# Allegro board 08_038702e.brd (continued)
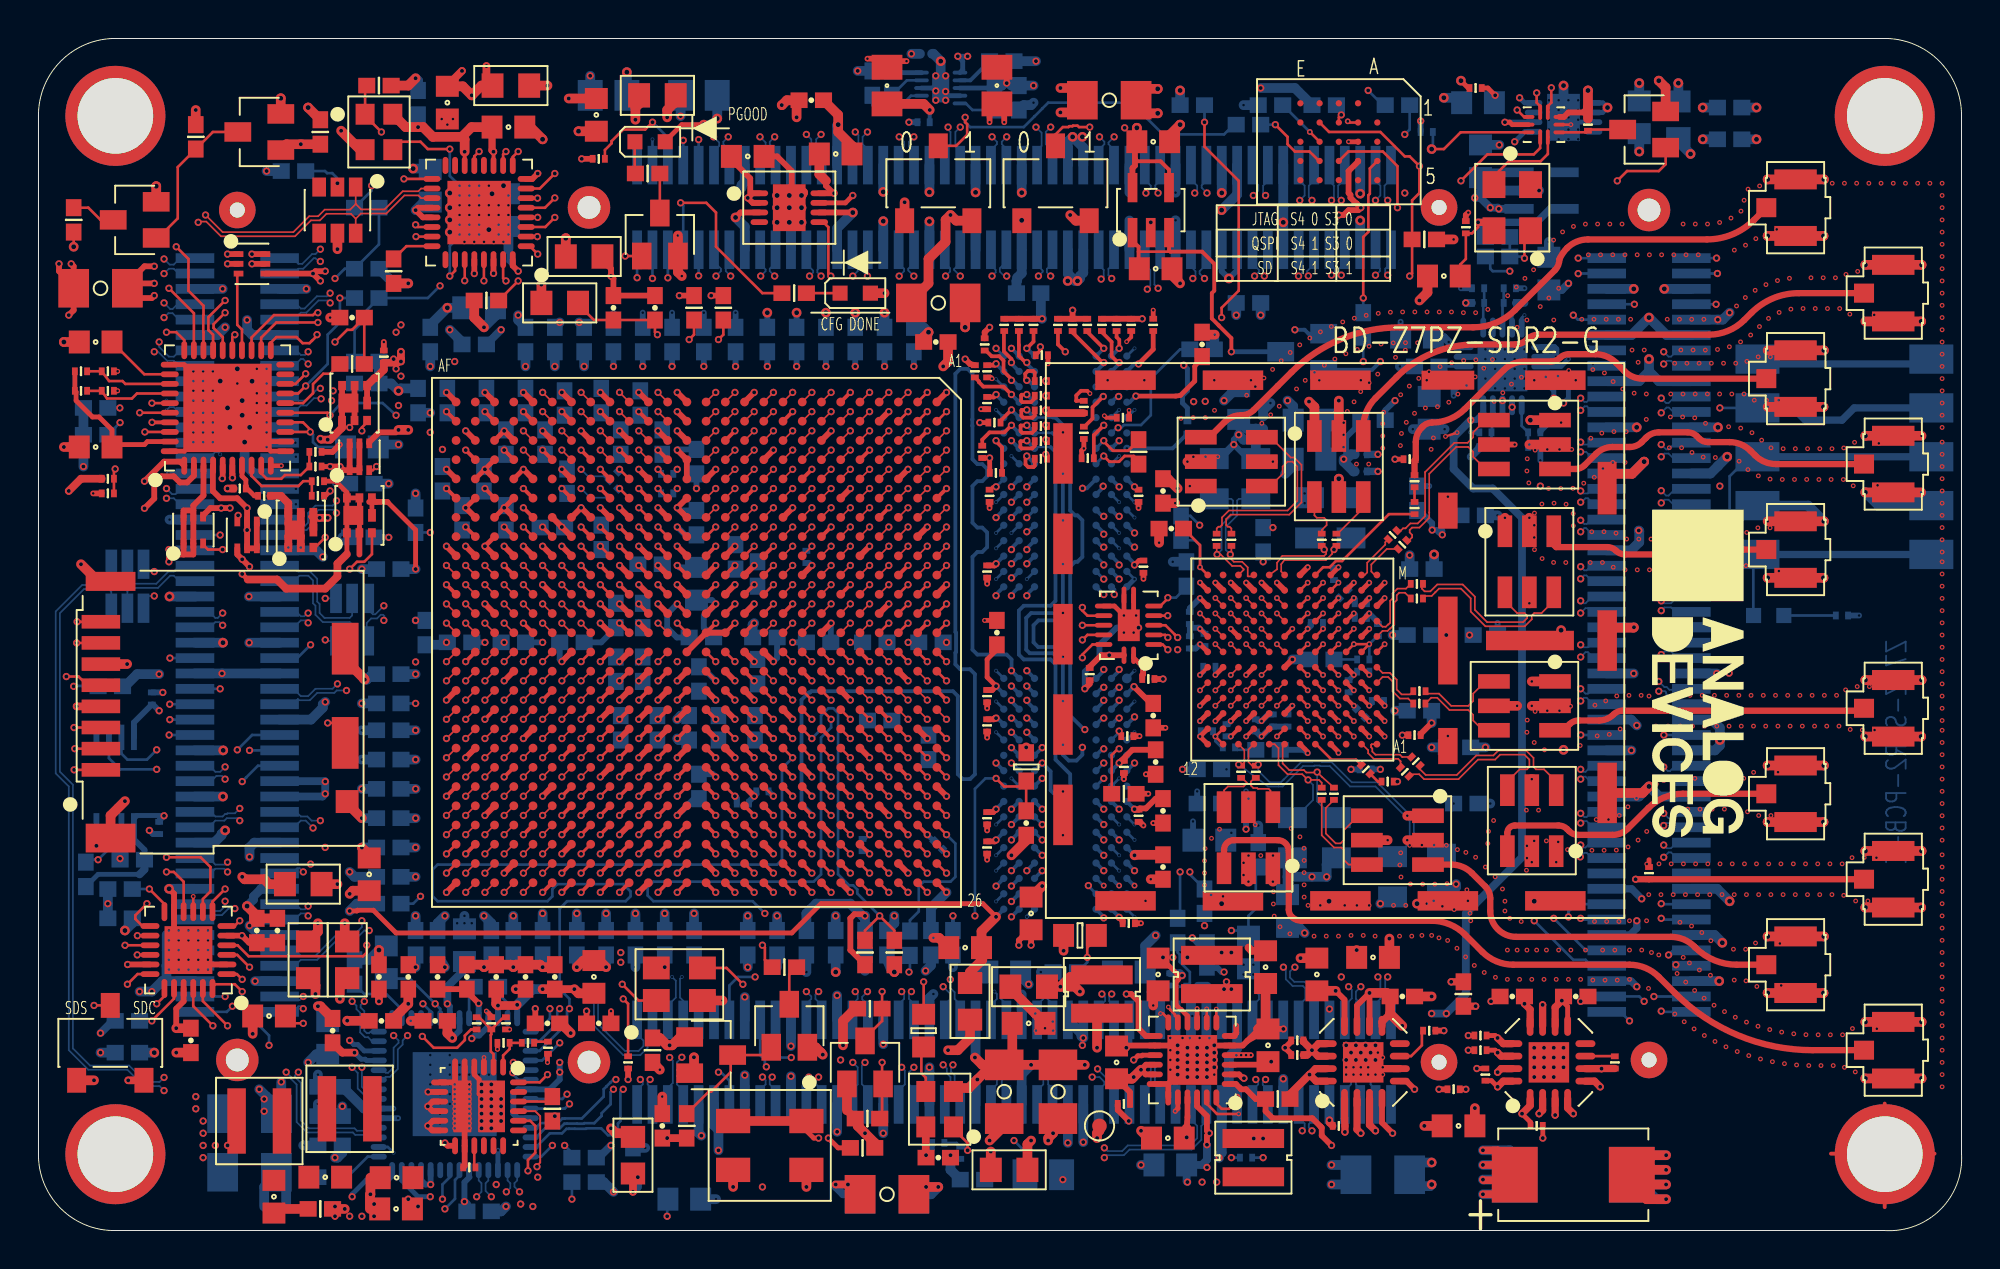
[diagram p0: board, top side]
## Routing (per net, layer and track width the routed paths; a pad name or vN(x,y) marks a point on that pad's centre or on a via; arc(x,y) is an arc through that point) (continued)
  BOTTOM w0.089: JX4.36 80.73,36.97 80.51,36.75 80.38,36.75 v1(80.19,36.94)
IO_L08_35_FB_CLK_N: length 39.2
  TOP w0.089: U1.J13 v1(39.22,31.59) ; v6(62,30.49) U17.G10
  L17_SIG w0.089: v1(39.22,31.59) 39.22,31.59 39.22,31.86 39.12,31.96 38.74,31.96 38.57,31.79 38.57,31.59 38.7,31.46 38.84,31.32 38.84,30.94 38.49,30.59 37.92,30.59 37.64,30.86 37.64,31.73 37.39,31.99 34.96,31.99 34.72,31.75 34.72,30.44 34.96,30.21 53.55,30.21 53.72,30.38 54.53,30.38 54.61,30.29 55.21,30.29 55.43,30.51 55.92,30.51 56.23,30.21 56.8,30.21 57.11,29.9 57.74,29.9 58.2,29.45 59.74,29.45 60.12,29.83 62.16,29.83 62.28,29.95 62.28,30.21 v6(62,30.49)
IO_L08_35_FB_CLK_P: length 38
  TOP w0.089: U1.K13 v1(38.22,31.59) ; v6(62,28.89) U17.F10
  L17_SIG w0.089: v6(62,28.89) 62.03,28.92 62.03,29.32 61.77,29.57 60.23,29.57 59.85,29.19 58.09,29.19 57.64,29.65 57,29.65 56.69,29.95 56.12,29.95 55.82,30.26 55.54,30.26 55.32,30.04 54.51,30.04 54.42,30.12 53.83,30.12 53.66,29.95 34.85,29.95 34.47,30.33 34.47,31.86 34.85,32.24 37.5,32.24 37.9,31.84 37.9,30.97 38.03,30.84 38.39,30.84 38.59,31.05 38.59,31.22 v1(38.22,31.59)
IO_L09_12_JX3_N: length 72.7
  TOP w0.089: U1.AF10 v1(21.22,34.59)
  L17_SIG w0.089: v3(7.29,43.16) 7.55,42.91 8.16,42.91 8.56,42.5 8.56,39.88 7.93,39.25 7.93,26.38 8.41,25.89 9.2,25.89 9.45,26.14 9.45,27.16 9.96,27.67 11.33,27.67 11.86,28.2 11.86,37.19 12.24,37.57 13.9,37.57 14.28,37.19 14.28,34 14.38,33.89 16.92,33.89 17.32,33.49 17.32,31.07 17.71,30.69 17.71,26.42 17.18,25.89 16.03,25.89 15.8,25.66 15.8,24.47 16.03,24.24 17.18,24.24 17.71,23.71 17.71,23.21 18.08,22.84 18.6,22.84 18.98,23.21 18.98,29.8 20.12,30.95 20.12,32.67 20.88,33.43 20.88,33.73 21.08,33.93 21.37,33.93 21.5,34.05 21.5,34.13 21.64,34.27 21.64,34.4 21.52,34.53 21.28,34.53 v1(21.22,34.59)
  L19_GND w0.089: v4(6.66,43.16) v3(7.29,43.16)
  BOTTOM w0.089: JX3.81 7.37,43.37 7.04,43.03 6.78,43.03 v4(6.66,43.16)
IO_L09_12_JX3_P: length 72.7
  TOP w0.089: U1.AE11 v1(22.22,33.59)
  L17_SIG w0.089: v3(7.29,42.53) 7.42,42.65 8.05,42.65 8.31,42.4 8.31,39.99 7.67,39.35 7.67,26.27 8.31,25.64 9.3,25.64 9.7,26.04 9.7,27.05 10.06,27.41 11.44,27.41 12.12,28.09 12.12,37.09 12.35,37.32 13.79,37.32 14.02,37.09 14.02,33.89 14.28,33.64 16.82,33.64 17.07,33.38 17.07,30.97 17.45,30.59 17.45,26.52 17.07,26.14 15.93,26.14 15.55,25.76 15.55,24.37 15.93,23.98 17.07,23.98 17.45,23.6 17.45,23.11 17.97,22.59 18.71,22.59 19.23,23.11 19.23,29.7 20.37,30.84 20.37,32.57 21.06,33.25 21.35,33.25 21.55,33.45 21.55,33.75 21.68,33.87 21.74,33.94 21.74,33.94 21.87,33.94 v1(22.22,33.59)
  L19_GND w0.089: v4(6.66,42.65) 7.2,42.65 7.29,42.56 v3(7.29,42.53)
  BOTTOM w0.089: v4(6.66,42.65) 6.82,42.82 7.04,42.82 7.28,42.57 JX3.79
IO_L09_13_JX2_N: length 72.2
  TOP w0.089: U1.AB22 v1(25.22,21.59)
  L4_SIG w0.089: v1(43.11,12.43) 42.89,12.21 42.89,11.85 42.45,11.41 38.89,11.41 38.79,11.31 38.79,11.01 38.89,10.9 46.66,10.9 46.92,10.65 46.92,10.28 46.66,10.03 43.79,10.03 43.77,10.01 37.9,10.01 37.64,10.27 37.64,11.03 37.26,11.41 36.65,11.41 36.58,11.48 36.56,11.48 35.49,12.55 35.49,12.94 35.1,13.32 34.85,13.32 34.47,13.7 34.47,17.88 33.71,18.64 33.71,19.64 33.96,19.89 33.96,21.93 33.81,22.08 33.81,24.13 33.6,24.33 33.6,26.65 33.55,26.7 33.55,26.73 33.35,26.92 31.08,26.92 30.88,26.73 30.88,17.22 30.66,17 30.66,15.86 30.41,15.6 29.75,15.6 29.64,15.5 29.64,14.74 29.24,14.33 28.65,14.33 28.25,14.74 28.25,15.75 28.14,15.86 27,15.86 26.6,16.26 26.6,21.83 26.46,21.96 25.59,21.96 v1(25.22,21.59)
  BOTTOM w0.089: v1(43.11,12.43) 42.83,12.15 42.83,12.03 43.13,11.73 JX2.31
IO_L09_13_JX2_P: length 72.3
  TOP w0.089: U1.AB21 v1(25.22,22.59)
  L4_SIG w0.089: v1(25.22,22.59) 25.07,22.44 25.07,22.21 25.21,22.07 25.34,22.07 25.48,22.22 26.56,22.22 26.85,21.93 26.85,16.36 27.1,16.11 28.25,16.11 28.5,15.86 28.5,14.84 28.75,14.59 29.14,14.59 29.39,14.84 29.39,15.6 29.64,15.86 30.3,15.86 30.41,15.96 30.41,17.1 30.63,17.32 30.63,26.83 30.97,27.18 33.46,27.18 33.81,26.83 33.81,26.8 33.85,26.76 33.85,24.44 34.06,24.23 34.06,22.19 34.22,22.03 34.22,19.79 33.96,19.53 33.96,18.75 34.72,17.99 34.72,13.8 34.96,13.57 35.21,13.57 35.74,13.04 35.74,12.66 36.66,11.73 36.69,11.73 36.76,11.67 37.37,11.67 37.9,11.14 37.9,10.37 38,10.27 43.67,10.27 43.68,10.28 46.56,10.28 46.66,10.39 46.66,10.54 46.56,10.65 38.79,10.65 38.53,10.9 38.53,11.41 38.79,11.67 42.34,11.67 42.64,11.96 42.64,12.28 42.62,12.3 42.6,12.3 v1(42.47,12.43)
  BOTTOM w0.089: v1(42.47,12.43) 42.6,12.3 42.6,12.05 42.33,11.78 JX2.29
IO_L09_33_JX1_N: length 72.1
  TOP w0.089: U1.K1 v1(38.22,43.59)
  L14_SIG w0.089: v1(58.22,49) 57.91,49.31 57.91,49.38 58.09,49.56 58.09,49.64 57.91,49.82 57.91,49.84 58.35,50.27 76.1,50.27 77.07,51.24 78.03,51.24 78.28,51.49 78.28,52.31 78.03,52.56 76.02,52.56 75.38,51.92 61.77,51.92 61.39,52.31 61.39,52.56 61.01,52.94 59.62,52.94 59.23,52.56 59.23,52.31 58.85,51.92 46.03,51.92 42.49,48.39 42.2,48.39 41.82,48 41.82,47.71 41.33,47.23 40.18,47.23 38.53,45.57 38.53,43.91 v1(38.22,43.59)
  BOTTOM w0.089: v1(58.22,49) 58.03,49.19 58.03,49.96 58.33,50.26 JX1.70
IO_L09_33_JX1_P: length 72.1
  TOP w0.089: U1.K2 v1(38.22,42.59)
  L14_SIG w0.089: v1(38.22,42.59) 38.79,43.16 38.79,45.47 40.29,46.97 41.43,46.97 42.07,47.61 42.07,47.9 42.3,48.13 42.59,48.13 46.13,51.67 58.96,51.67 59.49,52.2 59.49,52.45 59.72,52.69 60.91,52.69 61.14,52.45 61.14,52.2 61.67,51.67 75.49,51.67 76.13,52.31 77.92,52.31 78.03,52.2 78.03,51.6 77.92,51.49 76.96,51.49 76,50.53 58.24,50.53 57.66,49.95 v1(57.66,48.96)
  BOTTOM w0.089: JX1.68 57.53,50.24 57.81,49.96 57.81,49.14 57.75,49.08 57.75,49.05 v1(57.66,48.96)
IO_L09_34_JX4_N: length 72.3
  TOP w0.089: U1.E8 v1(43.22,36.59)
  L17_SIG w0.089: v1(84.38,33.89) 84.19,34.08 84.19,34.18 84.1,34.27 83.87,34.27 83.75,34.14 83.75,34.01 83.63,33.89 83.36,33.89 83.24,34.02 83.24,34.14 83.11,34.27 82.69,34.27 81.21,35.75 79.94,35.75 79.39,36.3 77.42,36.3 71.96,41.76 67.38,41.76 66.85,42.29 66.85,43.9 67.38,44.43 70.56,44.43 70.79,44.66 70.79,45.34 70.56,45.57 67.38,45.57 66.85,46.1 66.85,46.99 66.62,47.23 64.01,47.23 63.68,46.9 63.68,45.34 63.15,44.81 61.5,44.81 61.27,44.58 61.27,43.25 61.27,43.25 61.27,43.03 61.26,43.03 61.26,42.88 60.91,42.53 60.89,42.53 60.88,42.52 59.11,42.52 58.97,42.65 56.89,42.65 56.78,42.54 54.47,42.54 53.72,43.29 52.73,43.29 52.52,43.08 49.59,43.08 49.38,43.29 47.75,43.29 47.46,43 44.15,43 43.88,42.73 43.88,39.34 43.46,38.92 42.08,38.92 41.99,38.84 41.91,38.84 41.82,38.75 41.82,37.19 42.08,36.92 42.35,36.92 42.72,36.56 43.18,36.56 v1(43.22,36.59)
  BOTTOM w0.089: JX4.43 85.17,33.77 84.89,34.06 84.55,34.06 v1(84.38,33.89)
IO_L09_34_JX4_P: length 72.4
  TOP w0.089: U1.F9 v1(42.22,35.59)
  L17_SIG w0.089: v1(84.38,34.53) 82.79,34.53 81.31,36 80.05,36 79.5,36.56 77.52,36.56 72.06,42.02 67.49,42.02 67.11,42.4 67.11,43.8 67.49,44.18 70.66,44.18 71.05,44.56 71.05,45.45 70.66,45.83 67.49,45.83 67.11,46.21 67.11,47.1 66.73,47.48 63.9,47.48 63.43,47 63.43,45.45 63.04,45.07 61.39,45.07 61.01,44.69 61.01,43.14 61.01,43.13 61.01,42.98 60.81,42.79 60.79,42.79 60.77,42.77 59.21,42.77 59.08,42.91 56.79,42.91 56.68,42.8 54.57,42.8 53.83,43.54 52.73,43.54 52.45,43.81 49.65,43.81 49.38,43.54 47.65,43.54 47.35,43.25 44.04,43.25 43.62,42.83 43.62,39.45 43.35,39.18 41.97,39.18 41.89,39.1 41.8,39.1 41.56,38.86 41.56,37.08 41.84,36.81 41.84,36.43 42.22,36.05 42.22,35.59 v1(42.22,35.59)
  BOTTOM w0.089: v1(84.38,34.53) 84.63,34.27 84.89,34.27 85.19,34.57 JX4.41
IO_L09_35_TX_FRAME_N: length 31.6
  TOP w0.089: v6(62.8,31.29) U17.H9 ; U1.J15 v1(39.22,28.59)
  L6_SIG w0.089: v1(39.22,28.59) 38.81,28.61 38.74,28.53 38.74,28.43 38.81,28.35 38.81,27.5 39.05,27.25 39.35,27.25 39.63,27.52 39.63,27.83 39.97,28.18 40.28,28.18 40.55,28.45 40.55,28.9 40.56,28.92 40.57,28.93 40.57,29.72 40.62,29.78 40.62,29.83 40.97,30.18 41.02,30.18 41.09,30.25 42.35,30.25 42.62,30.52 42.63,30.62 42.85,30.84 43.49,30.84 43.74,30.59 43.74,30.51 43.99,30.25 51.55,30.25 51.93,30.63 53.71,30.63 53.96,30.38 54.53,30.38 54.57,30.33 55.15,30.33 55.45,30.63 57.65,30.63 58.49,31.48 59.43,31.48 59.82,31.09 59.82,31 60.04,30.79 62.87,30.79 63.04,30.97 63.04,31.13 62.96,31.22 62.87,31.22 v6(62.8,31.29)
IO_L09_35_TX_FRAME_P: length 31.3
  TOP w0.089: v6(62.8,30.49) U17.G9 ; U1.K15 v1(38.22,28.59)
  L6_SIG w0.089: v1(38.22,28.59) 38.24,28.59 38.55,28.25 38.55,27.39 38.95,27 39.46,27 39.88,27.42 39.88,27.73 40.08,27.92 40.39,27.92 40.81,28.34 40.82,28.92 40.82,29.62 40.88,29.68 40.88,29.73 41.08,29.93 41.13,29.93 41.2,30 42.46,30 42.82,30.36 42.84,30.39 42.85,30.4 42.85,30.4 42.88,30.45 42.88,30.51 42.96,30.59 43.38,30.59 43.49,30.48 43.49,30.4 43.89,30 51.66,30 52.04,30.38 53.6,30.38 53.86,30.12 54.42,30.12 54.46,30.08 55.25,30.08 55.55,30.38 57.75,30.38 58.6,31.22 59.33,31.22 59.57,30.98 59.57,30.9 60.27,30.19 62.17,30.19 62.28,30.08 62.54,30.08 62.79,30.33 62.79,30.49 v6(62.8,30.49)
IO_L10_12_JX3_N: length 72.5
  TOP w0.089: U1.AF13 v1(21.22,31.59)
  L15_SIG w0.089: v1(21.22,31.59) 21.26,31.63 21.26,31.86 21.46,32.06 21.69,32.06 21.82,31.93 21.82,31.55 21.59,31.32 21.59,30.49 21.35,30.25 14.66,30.25 14.49,30.08 8.31,30.08 7.42,30.97 7.42,32.13 7.65,32.37 9.36,32.37 9.44,32.45 9.72,32.45 9.8,32.37 13.01,32.37 13.39,32.75 13.39,33.38 13.01,33.76 7.9,33.76 7.67,34 7.67,39.63 7.9,39.86 9.47,39.86 9.58,39.75 10.09,39.75 10.19,39.86 11.33,39.86 11.86,40.39 11.86,45.55 11.33,46.08 7.78,46.08 7.55,46.31 7.55,50.3 7.78,50.53 8.96,50.53 9.2,50.3 9.2,50.04 9.73,49.51 12.39,49.51 12.63,49.28 12.63,46.87 13.15,46.34 13.91,46.34 14.24,46 14.5,46 14.91,45.6 14.91,45.15 14.78,45.02 14.78,44.81 14.91,44.69 14.91,44.43 14.66,44.18 14.4,44.18 14.28,44.05 14.28,43.67 14.34,43.61 14.47,43.61 v1(14.66,43.8)
  BOTTOM w0.089: JX3.82 13.3,43.37 13.51,43.16 13.9,43.16 14.53,43.8 v1(14.66,43.8)
IO_L10_12_JX3_P: length 72.5
  TOP w0.089: U1.AE13 v1(22.22,31.59)
  L15_SIG w0.089: v1(14.7,43.25) 14.77,43.33 14.78,43.33 14.98,43.52 14.98,43.65 14.99,43.66 14.99,43.82 15.04,43.87 15.04,44.2 15.17,44.33 15.17,45.7 14.61,46.26 14.35,46.26 14.01,46.59 13.26,46.59 12.88,46.97 12.88,49.38 12.5,49.77 9.83,49.77 9.45,50.15 9.45,50.4 9.07,50.78 7.67,50.78 7.29,50.4 7.29,46.21 7.67,45.83 11.23,45.83 11.61,45.45 11.61,40.49 11.23,40.11 10.09,40.11 9.98,40.01 9.68,40.01 9.57,40.11 7.8,40.11 7.42,39.73 7.42,33.89 7.8,33.51 12.9,33.51 13.13,33.28 13.13,32.85 12.9,32.62 9.9,32.62 9.82,32.7 9.33,32.7 9.25,32.62 7.55,32.62 7.16,32.24 7.16,30.86 8.2,29.83 14.59,29.83 14.76,30 21.46,30 21.84,30.38 21.84,31.22 22.01,31.39 v1(22.22,31.59)
  BOTTOM w0.089: v1(14.7,43.25) 14.66,43.25 14.62,43.29 14.33,43.29 13.95,42.91 13.64,42.91 13.31,42.57 JX3.80
IO_L10_13_JX2_N: length 74.3
  TOP w0.089: U1.AA23 v1(26.22,20.59)
  L6_SIG w0.089: v1(42.98,8.74) 42.72,8.49 42.72,8.36 42.85,8.24 43.23,8.24 43.36,8.11 43.36,7.86 43.23,7.73 42.72,7.73 42.6,7.6 42.6,3.26 43,2.86 47.03,2.86 47.12,2.78 52.56,2.78 52.91,3.12 52.91,3.16 53.16,3.41 56.08,3.41 56.72,4.05 57.86,4.05 58.47,4.66 58.47,8.47 58.6,8.6 58.6,10.14 58.22,10.52 57.48,10.52 56.95,11.05 56.95,13.59 55.57,14.97 52.14,14.97 51.89,15.22 50.88,15.22 50.63,14.97 47.66,14.97 47.02,14.33 40.38,14.33 40.05,14 39.56,14 39.22,14.33 38.85,14.33 38.77,14.25 37.4,14.25 37.32,14.33 36.14,14.33 34.62,15.86 29.16,15.86 28.55,16.46 28.55,20.73 28.32,20.96 26.49,20.96 26.39,20.86 26.39,20.77 v1(26.22,20.59)
  BOTTOM w0.089: JX2.32 43.13,7.3 42.81,7.62 42.81,8.58 v1(42.98,8.74)
IO_L10_13_JX2_P: length 74.4
  TOP w0.089: U1.AA22 v1(26.22,21.59)
  L6_SIG w0.089: v1(26.22,21.59) 26.59,21.22 28.42,21.22 28.81,20.83 28.81,16.57 29.26,16.11 34.72,16.11 36.25,14.59 37.42,14.59 37.5,14.5 38.66,14.5 38.74,14.59 39.33,14.59 39.66,14.25 39.94,14.25 40.28,14.59 46.92,14.59 47.55,15.22 50.52,15.22 50.78,15.48 52,15.48 52.25,15.22 55.68,15.22 57.2,13.7 57.2,11.16 57.58,10.78 58.32,10.78 58.85,10.25 58.85,8.49 58.73,8.36 58.73,4.55 57.96,3.79 56.82,3.79 56.19,3.16 53.27,3.16 53.16,3.05 53.16,3 53.14,2.98 53.13,2.98 52.66,2.52 47.01,2.52 46.93,2.6 42.9,2.6 42.34,3.16 v1(42.34,8.74)
  BOTTOM w0.089: v1(42.34,8.74) 42.6,8.49 42.6,7.6 42.33,7.33 JX2.30
IO_L10_33_JX1_N: length 72.2
  TOP w0.089: U1.G1 v1(41.22,43.59)
  L15_SIG w0.089: v1(41.22,43.59) 40.87,43.24 40.87,43.12 41.06,42.92 41.35,42.92 41.58,42.7 41.58,42.53 41.86,42.25 42.35,42.25 42.55,42.45 42.55,42.46 42.6,42.5 42.6,43.82 41.71,44.71 41.71,46.57 42.24,47.1 45.67,47.1 45.9,47.33 45.9,48.14 45.67,48.37 44.45,48.37 44.24,48.16 43.75,48.16 43.4,48.5 43.4,48.99 43.61,49.2 43.61,50.38 44.02,50.78 53.92,50.78 54.15,51.01 54.15,56.12 54.54,56.5 62.28,56.5 62.54,56.75 62.54,58.27 62.79,58.53 64.57,58.53 64.95,58.15 64.95,56.88 65.33,56.5 66.47,56.5 66.85,56.88 66.85,58.27 67.24,58.66 69.01,58.66 69.39,58.27 69.39,56.88 69.78,56.5 70.82,56.5 71.17,56.14 71.17,55.64 70.82,55.29 60.95,55.29 60.63,54.97 60.63,54.08 v1(60.76,53.96)
  BOTTOM w0.089: v1(60.76,53.96) 60.48,54.23 60.48,54.36 60.73,54.6 JX1.75
IO_L10_33_JX1_P: length 72.2
  TOP w0.089: U1.H2 v1(40.22,42.59)
  L15_SIG w0.089: v1(60.12,53.96) 60.38,54.21 60.38,55.08 60.84,55.54 61.05,55.54 70.71,55.54 70.92,55.75 70.92,56.04 70.71,56.24 69.67,56.24 69.14,56.77 69.14,58.17 68.91,58.4 67.34,58.4 67.11,58.17 67.11,56.77 66.58,56.24 65.22,56.24 64.7,56.77 64.7,58.04 64.46,58.27 62.9,58.27 62.79,58.17 62.79,56.65 62.39,56.24 54.64,56.24 54.41,56.01 54.41,50.91 54.03,50.53 44.12,50.53 43.87,50.27 43.87,49.1 43.66,48.89 43.66,48.61 43.85,48.41 44.13,48.41 44.34,48.62 45.77,48.62 46.15,48.24 46.15,47.23 45.77,46.84 42.35,46.84 41.97,46.46 41.97,44.81 42.85,43.93 42.85,42.4 42.81,42.35 42.81,42.34 42.46,42 41.75,42 41.5,42.25 41.08,42.25 40.88,42.45 40.88,42.75 40.64,42.98 40.39,42.98 40.31,42.91 40.31,42.68 v1(40.22,42.59)
  BOTTOM w0.089: JX1.73 59.93,54.66 60.25,54.34 60.25,54.08 v1(60.12,53.96)
IO_L10_34_JX4_N: length 73.5
  TOP w0.089: U1.D5 v1(44.22,39.59)
  L17_SIG w0.089: v1(44.22,39.59) 44.22,39.51 44.5,39.22 47.44,39.22 47.83,39.61 58.34,39.61 58.85,40.11 62.28,40.11 62.66,40.49 62.66,41.16 63.13,41.63 63.13,42.09 63.04,42.17 63.04,43.39 63.57,43.92 65.18,43.92 65.71,43.39 65.71,40.49 66.09,40.11 66.83,40.11 67.21,39.73 67.21,38.59 67.59,38.21 72.89,38.21 75.96,35.14 76.5,35.14 77.7,33.94 78.21,33.94 78.59,33.56 78.59,23.2 78.82,22.97 80.97,22.97 81.21,23.2 81.21,33.26 81.08,33.38 79.33,33.38 79.25,33.46 79.25,33.76 79.38,33.89 v1(80.19,33.89)
  BOTTOM w0.089: JX4.44 80.79,33.77 80.49,34.07 80.37,34.07 v1(80.19,33.89)
IO_L10_34_JX4_P: length 73.6
  TOP w0.089: U1.E6 v1(43.22,38.59)
  L17_SIG w0.089: v1(80.19,34.53) 80.7,34.02 80.7,33.76 80.82,33.64 81.18,33.64 81.46,33.36 81.46,23.1 81.08,22.71 78.72,22.71 78.34,23.1 78.34,33.46 78.1,33.69 77.6,33.69 76.4,34.89 75.85,34.89 72.79,37.95 67.49,37.95 66.96,38.48 66.96,39.63 66.73,39.86 65.99,39.86 65.46,40.39 65.46,43.29 65.08,43.67 63.68,43.67 63.3,43.29 63.3,42.27 63.38,42.19 63.38,41.52 62.92,41.06 62.92,40.39 62.39,39.86 58.96,39.86 58.45,39.35 47.93,39.35 47.55,38.97 43.81,38.97 43.55,38.71 43.34,38.71 v1(43.22,38.59)
  BOTTOM w0.089: JX4.42 80.74,34.57 80.51,34.33 80.38,34.33 v1(80.19,34.53)
IO_L10_35_EN_AGC: length 28.9
  TOP w0.14: U1.G16 v1(41.22,27.59) ; v6(66.8,30.49) U17.G5
  L6_SIG w0.095: v1(41.22,27.59) 41.56,27.93 43.36,27.93 43.36,27.92 44.07,27.92 44.07,27.93 54.18,27.93 54.27,27.84 54.55,27.84 54.75,28.03 54.75,28.04 55.05,28.34 55.05,28.39 55.25,28.59 55.53,28.59 55.57,28.56 56.02,28.56 56.05,28.59 56.33,28.59 56.53,28.39 56.53,28.27 56.63,28.18 56.63,28.15 56.83,27.95 56.83,27.95 56.95,27.84 58.52,27.84 58.96,28.28 58.96,28.29 59.23,28.56 63.81,28.56 64.44,29.19 65.46,29.19 66.76,30.49 v6(66.8,30.49)
IO_L10_35_SYNC_IN: length 40
  TOP w0.14: v6(66.8,31.29) U17.H5 ; U1.G15 v1(41.22,28.59)
  L14_SIG w0.095: v6(66.8,31.29) 67.11,31.6 67.11,32.1 67.4,32.39 67.72,32.39 67.9,32.22 67.9,32.21 68.1,32.01 68.1,31.97 68.27,31.79 68.32,31.79 68.51,31.59 68.52,31.59 68.7,31.42 68.7,31.17 68.63,31.1 68.63,30.68 68.7,30.62 68.7,30.37 68.63,30.3 68.63,29.08 68.7,29.02 68.7,28.77 68.63,28.7 68.63,28.28 68.7,28.22 68.7,27.97 68.63,27.9 68.63,27.48 68.7,27.42 68.7,27.17 68.52,26.99 68.46,26.99 68.38,26.91 65.97,26.91 65.88,26.99 65.87,26.99 65.7,27.17 65.7,27.18 65.5,27.37 65.5,27.42 65.32,27.59 65.07,27.59 65.02,27.54 64.58,27.54 64.52,27.59 64.27,27.59 64.22,27.54 63.78,27.54 63.72,27.59 63.47,27.59 63.42,27.54 62.98,27.54 62.92,27.59 62.67,27.59 62.62,27.54 62.18,27.54 62.12,27.59 61.87,27.59 61.82,27.54 61.38,27.54 61.32,27.59 59.94,27.59 59.17,28.37 58.64,28.37 58.61,28.34 58.33,28.34 58.13,28.54 58.13,29.28 57.17,30.24 55.84,30.24 55.82,30.26 55.54,30.26 55.34,30.06 55.34,29.87 54.15,28.68 49.2,28.68 48.82,29.06 41.71,29.06 41.23,28.59 v1(41.22,28.59)
  BOTTOM w0.14: R111.2 66.79,31.3 v6(66.8,31.29)
IO_L11_35_ENABLE: length 28
  TOP w0.14: U1.G14 v1(41.22,29.59) ; v6(66,30.49) U17.G6
  L6_SIG w0.095: v1(41.22,29.59) 41.71,29.1 41.71,28.68 41.88,28.52 41.88,28.45 42.15,28.18 47.93,28.18 48.57,28.81 50.42,28.81 50.45,28.78 50.73,28.78 50.77,28.81 51.22,28.81 51.25,28.78 51.53,28.78 51.57,28.81 55.16,28.81 55.16,28.81 55.62,28.81 55.63,28.81 55.96,28.81 55.96,28.81 56.43,28.81 56.43,28.81 57.58,28.81 57.96,29.19 60.27,29.19 60.27,29.19 60.52,29.19 60.53,29.19 61.07,29.19 61.07,29.19 61.32,29.19 61.33,29.19 61.87,29.19 61.87,29.19 62.12,29.19 62.13,29.19 62.67,29.19 62.67,29.19 62.92,29.19 62.93,29.19 63.47,29.19 63.47,29.19 63.68,29.19 64.06,29.57 64.44,29.57 65.36,30.49 v6(66,30.49)
IO_L11_35_TXNRX: length 28.3
  TOP w0.14: v6(67.6,31.29) U17.H4 ; U1.F14 v1(42.22,29.59)
  L6_SIG w0.095: v1(42.22,29.59) 42.61,29.19 49.39,29.19 49.65,29.45 51.53,29.45 51.8,29.19 54.93,29.19 55.25,29.52 56.33,29.52 56.58,29.27 56.94,29.27 57.32,29.65 57.52,29.65 57.52,29.65 57.6,29.65 57.8,29.45 63.43,29.45 63.8,29.83 64.31,29.83 65.33,30.84 67.11,30.84 67.56,31.29 v6(67.6,31.29)
IO_L11_SRCC_12_JX3_N: length 72.1
  TOP w0.089: U1.AD11 v1(23.22,33.59)
  L15_SIG w0.089: v1(23.22,33.59) 23.47,33.59 23.56,33.49 23.56,33.12 23.37,32.93 23.08,32.93 22.88,32.73 22.88,32.32 22.55,32 22.55,31.45 22.53,31.43 22.53,29.75 22.55,29.73 22.55,29.45 22.35,29.25 22.21,29.25 22.15,29.19 20.37,29.19 19.74,28.56 18.09,28.56 17.71,28.94 17.71,29.19 17.32,29.57 15.17,29.57 14.78,29.19 10.72,29.19 10.34,28.81 10.34,28.05 9.45,27.16 8.05,27.16 7.29,27.92 7.29,28.79 6.25,29.83 5.51,29.83 5.26,30.08 5.26,32.11 5.01,32.37 1.38,32.37 1.2,32.55 1.2,32.82 1.38,33 5.39,33 5.64,33.26 5.64,33.89 5.39,34.14 1.43,34.14 1.2,34.38 1.2,35.56 1.43,35.8 6.58,35.8 6.91,36.13 6.91,36.6 6.58,36.94 2.06,36.94 1.83,37.17 1.83,37.85 2.06,38.08 4.6,38.08 5.13,38.61 5.13,39.35 6.66,40.88 6.66,43.29 7.16,43.8 7.16,45.19 6.66,45.7 6.66,45.83 v1(6.28,46.21)
  BOTTOM w0.089: JX3.87 7.36,45.77 7.04,45.45 6.78,45.45 6.28,45.96 v1(6.28,46.21)
IO_L11_SRCC_12_JX3_P: length 72.1
  TOP w0.089: U1.AC12 v1(24.22,32.59)
  L15_SIG w0.089: v1(24.22,32.59) 23.87,32.94 23.74,32.94 23.55,32.75 23.55,32.45 23.35,32.25 23.17,32.25 22.81,31.89 22.81,31.34 22.79,31.32 22.79,29.85 22.81,29.83 22.81,29.34 22.46,29 22.32,29 22.26,28.94 20.48,28.94 19.84,28.3 17.98,28.3 17.45,28.83 17.45,29.09 17.22,29.32 15.27,29.32 14.89,28.94 10.83,28.94 10.59,28.71 10.59,27.94 9.56,26.91 7.95,26.91 7.04,27.82 7.04,28.68 6.15,29.57 5.41,29.57 5.01,29.98 5.01,32.01 4.9,32.11 1.28,32.11 0.94,32.45 0.94,32.92 1.28,33.26 5.28,33.26 5.39,33.36 5.39,33.79 5.28,33.89 1.32,33.89 0.94,34.27 0.94,35.67 1.32,36.05 6.47,36.05 6.66,36.24 6.66,36.5 6.47,36.68 1.96,36.68 1.58,37.07 1.58,37.95 1.96,38.34 4.5,38.34 4.88,38.72 4.88,39.46 6.4,40.98 6.4,43.39 6.91,43.9 6.91,45.09 6.48,45.52 6.2,45.52 v1(6.02,45.7)
  BOTTOM w0.089: JX3.85 7.3,44.97 7.04,45.23 6.69,45.23 6.22,45.7 v1(6.02,45.7)
IO_L11_SRCC_13_JX2_N: length 74.3
  TOP w0.089: U1.AD24 v1(23.22,19.59)
  L14_SIG w0.089: v1(45.39,12.43) 45.26,12.3 45.26,10.75 45.5,10.52 46.68,10.52 47.44,11.28 47.91,11.28 48.44,10.75 48.44,9.99 48.67,9.76 49.1,9.76 49.33,9.99 49.33,10.75 49.86,11.28 50.73,11.28 51.11,10.9 51.11,7.75 50.58,7.22 41.96,7.22 40.69,8.49 40.33,8.49 39.93,8.89 39.93,9.66 39.57,10.01 38.38,10.01 37.62,9.25 34.85,9.25 34.34,9.76 34.34,10.18 34.69,10.52 37.26,10.52 37.9,11.16 40.18,11.16 40.82,10.52 43.89,10.52 44.12,10.75 44.12,11.31 43.89,11.54 39.06,11.54 38.53,12.07 38.53,14.08 38.41,14.21 31.42,14.21 30.79,14.84 25.85,14.84 25.07,15.62 25.07,16.49 24.55,17.01 24.55,19.73 24.35,19.93 24.01,19.93 23.94,19.96 23.59,19.96 v1(23.22,19.59)
  BOTTOM w0.089: v1(45.39,12.43) 45.26,12.3 45.26,12.05 45.53,11.78 JX2.37
IO_L11_SRCC_13_JX2_P: length 74.3
  TOP w0.089: U1.AD23 v1(23.22,20.59)
  L14_SIG w0.089: v1(44.88,12.43) 45.01,12.3 45.01,10.65 45.39,10.27 46.79,10.27 47.55,11.03 47.8,11.03 48.19,10.65 48.19,9.89 48.57,9.51 49.2,9.51 49.58,9.89 49.58,10.65 49.96,11.03 50.62,11.03 50.85,10.8 50.85,7.86 50.47,7.47 42.07,7.47 40.8,8.74 40.44,8.74 40.18,9 40.18,9.76 39.68,10.27 38.28,10.27 37.52,9.51 34.96,9.51 34.6,9.87 34.6,10.07 34.79,10.27 37.37,10.27 38,10.9 40.08,10.9 40.71,10.27 43.99,10.27 44.38,10.65 44.38,10.81 44.38,10.81 44.38,10.86 44.38,11.41 43.99,11.79 39.17,11.79 38.79,12.17 38.79,14.18 38.51,14.46 31.53,14.46 30.89,15.09 25.96,15.09 25.33,15.73 25.33,16.6 24.81,17.12 24.81,19.83 24.46,20.18 24.08,20.18 24.01,20.22 23.89,20.22 23.8,20.3 23.63,20.3 23.55,20.22 23.48,20.22 23.41,20.14 23.28,20.14 23.17,20.26 23.17,20.54 v1(23.22,20.59)
  BOTTOM w0.089: JX2.35 44.73,11.76 45.01,12.05 45.01,12.3 v1(44.88,12.43)
IO_L11_SRCC_33_JX1_N: length 72.2
  TOP w0.089: U1.K3 v1(38.22,41.59)
  L4_SIG w0.089: v1(60.63,49.51) 60.48,49.36 60.48,48.61 60.85,48.24 64.29,48.24 65.05,47.48 65.22,47.48 65.61,47.86 65.61,48.24 65.99,48.62 67.62,48.62 68,48.24 68,47.99 68.38,47.61 70.87,47.61 71.1,47.84 71.1,48.73 71.77,49.4 71.77,49.47 72.32,50.02 73.33,50.02 73.71,49.64 73.71,49.51 74.09,49.13 76.48,49.13 77.01,48.6 77.01,46.57 76.48,46.04 65.83,46.04 65.79,46 65.25,46 65.21,46.04 59,46.04 58.47,46.57 58.47,47.09 58.71,47.33 58.71,47.63 58.5,47.84 58.49,47.84 58.09,48.24 55.06,48.24 54.94,48.37 54.13,48.37 54.01,48.24 48.89,48.24 46.53,45.89 46.53,44.69 46.03,44.18 38.28,44.18 37.84,43.74 37.84,41.96 v1(38.22,41.59)
  BOTTOM w0.089: JX1.76 60.73,50.24 60.38,49.89 60.38,49.76 v1(60.63,49.51)
IO_L11_SRCC_33_JX1_P: length 72.1
  TOP w0.089: U1.L3 v1(37.22,41.59)
  L4_SIG w0.089: v1(37.22,41.59) 37.59,41.96 37.59,43.85 38.17,44.43 45.92,44.43 46.28,44.79 46.28,45.99 48.78,48.5 53.9,48.5 54.03,48.62 55.04,48.62 55.17,48.5 58.2,48.5 58.6,48.1 58.6,48.1 58.96,47.73 58.96,47.22 58.73,46.99 58.73,46.67 59.11,46.29 65.32,46.29 65.35,46.25 65.69,46.25 65.72,46.29 76.38,46.29 76.76,46.67 76.76,48.5 76.38,48.88 73.99,48.88 73.46,49.41 73.46,49.53 73.23,49.77 72.42,49.77 72.02,49.37 72.02,49.29 71.35,48.62 71.35,47.73 70.97,47.35 68.27,47.35 67.74,47.88 67.74,48.14 67.51,48.37 66.09,48.37 65.86,48.14 65.86,47.76 65.33,47.23 64.95,47.23 64.19,47.99 60.74,47.99 60.22,48.51 60.22,49.31 v1(60.02,49.51)
  BOTTOM w0.089: v1(60.02,49.51) 60.16,49.65 60.16,49.89 59.93,50.13 JX1.74
IO_L11_SRCC_34_JX4_N: length 72.9
  TOP w0.089: U1.E7 v1(43.22,37.59)
  L14_SIG w0.089: v1(43.22,37.59) 42.9,37.27 42.9,37.21 42.93,37.18 47.3,37.18 49.6,39.48 61.14,39.48 61.39,39.73 62.26,39.73 62.51,39.48 64.04,39.48 64.27,39.71 64.27,40.45 64.57,40.75 64.57,41.64 64.95,42.02 67.74,42.02 68.12,42.4 68.12,42.65 68.51,43.03 69.65,43.03 70.03,42.65 70.03,42.4 70.41,42.02 73.46,42.02 73.84,42.4 73.84,44.3 74.22,44.69 80.03,44.69 80.08,44.63 80.36,44.63 80.41,44.69 81.31,44.69 81.84,44.16 81.84,41.43 82.07,41.19 83.24,41.19 83.62,41.58 83.62,43.92 84,44.3 86.41,44.3 86.79,43.92 86.79,33.13 86.03,32.37 84.51,32.37 v1(84.38,32.24)
  BOTTOM w0.089: JX4.47 85.12,32.17 84.89,32.4 84.55,32.4 v1(84.38,32.24)
IO_L11_SRCC_34_JX4_P: length 72.9
  TOP w0.089: U1.F8 v1(42.22,36.59)
  L14_SIG w0.089: v1(84.38,32.75) 84.51,32.62 84.63,32.62 84.89,32.87 84.89,33 85.02,33.13 85.14,33.13 85.4,32.87 85.4,32.75 85.52,32.62 85.93,32.62 86.54,33.23 86.54,43.82 86.31,44.05 84.1,44.05 83.87,43.82 83.87,41.47 83.34,40.94 81.97,40.94 81.59,41.32 81.59,44.05 81.21,44.43 80.52,44.43 80.47,44.38 79.98,44.38 79.93,44.43 74.33,44.43 74.09,44.2 74.09,42.29 73.56,41.76 70.3,41.76 69.78,42.29 69.78,42.55 69.54,42.78 68.61,42.78 68.38,42.55 68.38,42.29 67.85,41.76 65.05,41.76 64.82,41.53 64.82,40.64 64.52,40.34 64.52,39.61 64.14,39.22 62.41,39.22 62.16,39.48 61.5,39.48 61.24,39.22 49.71,39.22 47.41,36.92 42.76,36.92 42.75,36.94 42.56,36.94 v1(42.22,36.59)
  BOTTOM w0.089: JX4.45 85.24,32.97 84.89,32.62 84.51,32.62 v1(84.38,32.75)
IO_L12_MRCC_12_JX3_N: length 74.3
  TOP w0.089: U1.AD13 v1(23.22,31.59)
  L7_SIG w0.089: v1(23.22,31.59) 23.59,31.96 23.59,44.39 22.15,45.83 20.77,45.83 20.25,46.36 20.25,50.12 20.77,50.65 24.84,50.65 25.07,50.89 25.07,55.12 24.84,55.35 20.77,55.35 20.25,55.88 20.25,57.39 19.86,57.77 16.55,57.77 16.53,57.75 11.1,57.75 10.72,57.37 10.72,54.7 10.95,54.46 11.71,54.46 12.24,53.93 12.24,52.03 12.48,51.8 16.29,51.8 16.82,51.27 16.82,45.98 16.29,45.45 15.29,45.45 14.86,45.88 14.74,46 14.24,46 13.78,46.46 13.01,46.46 12.5,45.96 12.5,45.55 12.73,45.32 12.88,45.32 13.13,45.57 13.13,45.96 13.26,46.08 13.39,46.08 13.51,45.96 13.51,45.45 13.64,45.32 13.8,45.32 14.02,45.54 v1(14.02,45.7)
  BOTTOM w0.089: JX3.88 13.41,45.77 13.64,45.54 13.86,45.54 v1(14.02,45.7)
